# Altium PCB Thunderscope_Rev3.PCBDOC (part 4 of 6) (continued)
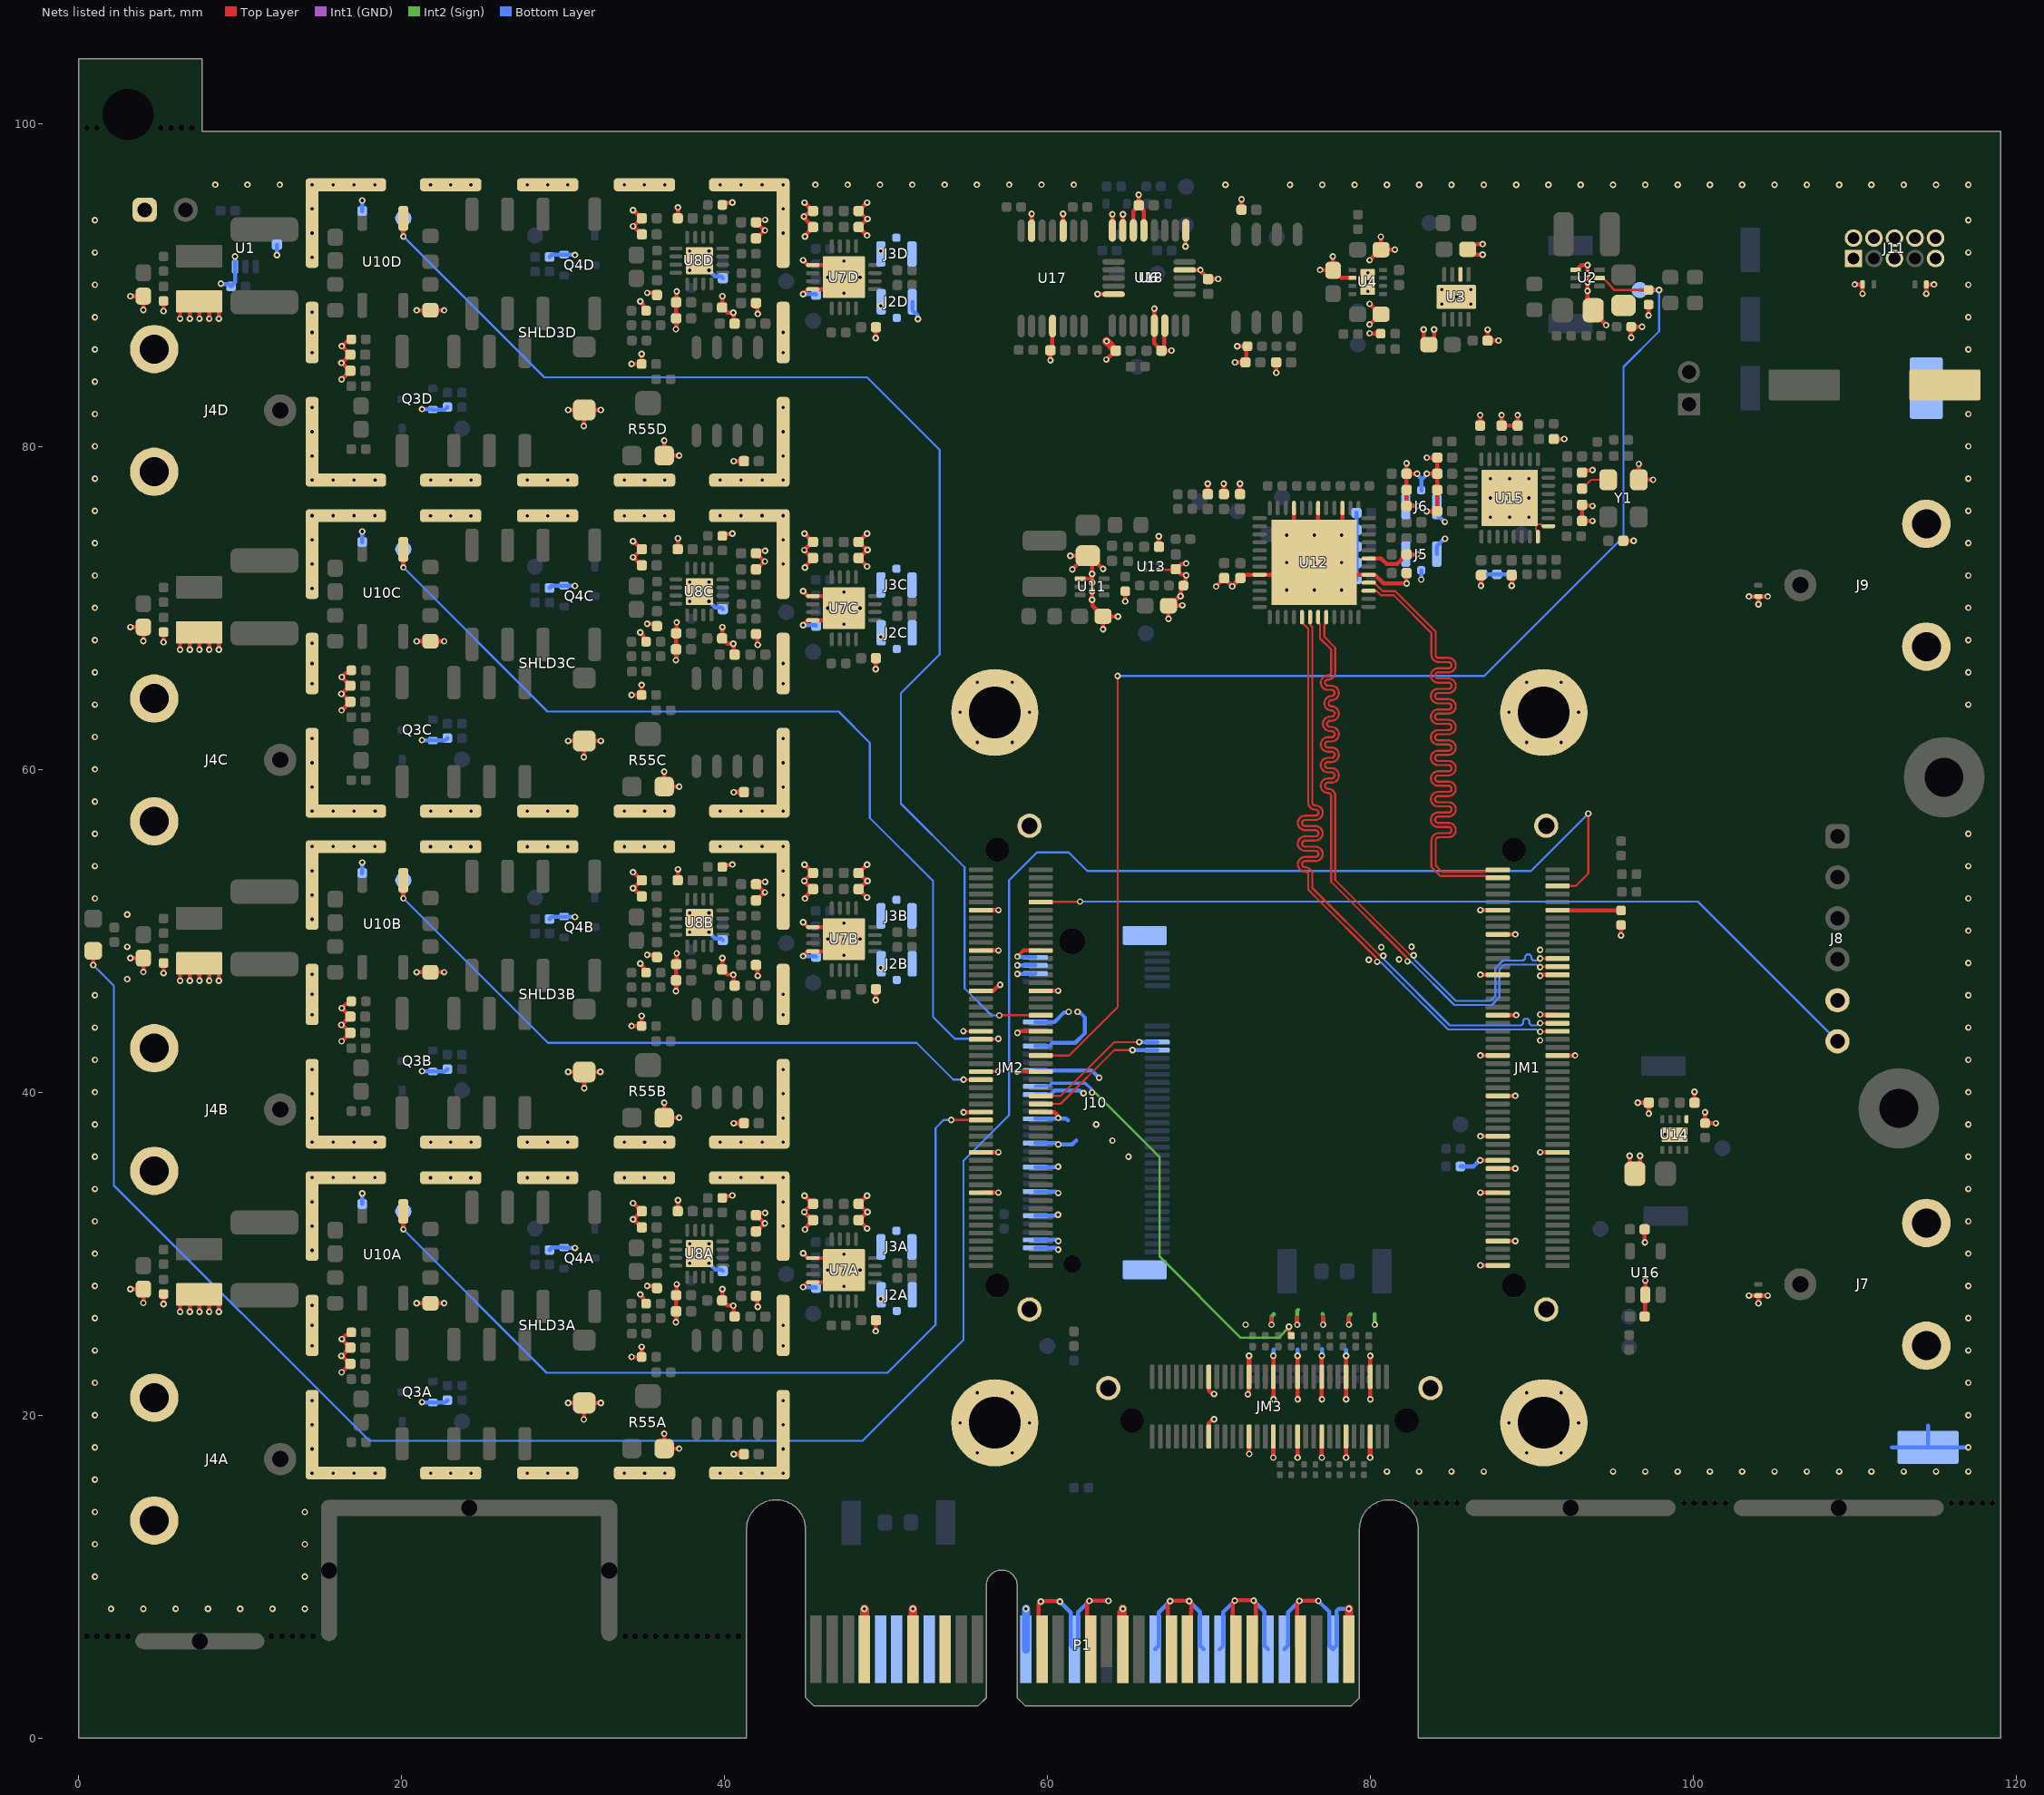
[diagram p8: the nets of this part, all layers, seen from the top]
## Nets (pads, with @x,y where several pads share a name; then routed paths per layer and width w, separated by ;. In a path a pad name is that pad's centre, name@x,y a point inside that pad or via, vN(x,y) a via of type N, cw(c..) or ccw(c..) an arc to the next point about the centre after c; other vN are vias at no path point) (continued)
  Top Layer w0.254: v1(3.195,27.8) C101A.2@4,27.8 v1(4,26.945) ; v1(3.195,48.3) C101B.2@4,48.3 v1(4,47.445) ; v1(3.195,68.8) C101C.2@4,68.8 v1(4,67.945) ; v1(3.195,89.3) C101D.2@4,89.3 v1(4,88.445) ; v1(5.25,26.87) R100A.1@5.25,27.5 R100A.1@5.263,27.512 ; v1(5.25,47.37) R100B.1@5.25,48 R100B.1@5.263,48.012 ; v1(5.25,67.87) R100C.1@5.25,68.5 R100C.1@5.263,68.512 ; v1(5.25,88.37) R100D.1@5.25,89 R100D.1@5.263,89.012 ; v1(14.45,25.55) SHLD3A.1@14.45,25.575 ; v1(14.45,46.05) SHLD3B.1@14.45,46.075 ; v1(14.45,66.55) SHLD3C.1@14.45,66.575 ; v1(14.45,87.05) SHLD3D.1@14.45,87.075 ; v1(20.925,26.925) R53A.1@21.775,26.925 v1(22.625,26.925) ; v1(20.925,47.425) R53B.1@21.775,47.425 v1(22.625,47.425) ; v1(20.925,67.925) R53C.1@21.775,67.925 v1(22.625,67.925) ; v1(20.925,88.425) R53D.1@21.775,88.425 v1(22.625,88.425) ; v1(30.3,20.75) 31.275,20.75 31.288,20.762 31.288,19.738 v1(31.275,19.725) ; v1(30.3,41.25) v1(32.3,41.25) ; v1(30.3,61.75) 31.275,61.75 31.288,61.762 31.288,60.763 v1(31.275,60.75) ; v1(30.3,82.25) 31.275,82.25 31.288,82.237 31.288,81.263 v1(31.275,81.25) ; C18A.2@31.3,20.75 v1(32.325,20.75) ; v1(31.3,40.25) C18B.2@31.3,41.25 ; C18C.2@31.3,61.75 v1(32.325,61.75) ; C18D.2@31.3,82.25 v1(32.325,82.25) ; v1(34.225,23.6) R54A.1@34.85,23.6 v1(34.85,24.225) ; v1(34.225,44.1) R54B.1@34.85,44.1 v1(34.85,44.725) ; v1(34.225,64.6) R54C.1@34.85,64.6 v1(34.85,65.225) ; v1(34.225,85.1) R54D.1@34.85,85.1 v1(34.85,85.725) ; v1(34.775,27.475) 34.775,27.434 34.966,27.243 34.966,27.059 R49A.1@35.125,26.9 ; v1(34.775,47.975) 34.775,47.934 34.966,47.743 34.966,47.559 R49B.1@35.125,47.4 ; v1(34.775,68.475) 34.775,68.434 34.966,68.243 34.966,68.059 R49C.1@35.125,67.9 ; v1(34.775,88.975) 34.775,88.934 34.966,88.743 34.966,88.559 R49D.1@35.125,88.4 ; v1@35.229,27.971 v1(35.2,28) 35.665,28 C29A.1@35.8,27.865 ; v1@35.229,48.471 v1(35.2,48.5) 35.665,48.5 C29B.1@35.8,48.365 ; v1@35.229,68.971 v1(35.2,69) 35.665,69 C29C.1@35.8,68.865 ; v1@35.229,89.471 v1(35.2,89.5) 35.665,89.5 C29D.1@35.8,89.365 ; R55D.3@36.244,79.431 36.25,79.438 v1(36.25,80.35) ; R55A.3@36.25,17.938 v1(36.25,18.85) ; R55B.3@36.25,38.438 v1(36.25,39.35) ; R55C.3@36.25,58.938 v1(36.25,59.85) ; R55D.3@36.256,79.419 36.262,79.425 v1(37.175,79.425) ; R55A.3@36.262,17.925 v1(37.175,17.925) ; R55B.3@36.262,38.425 v1(37.175,38.425) ; R55C.3@36.262,58.925 v1(37.175,58.925) ; R50A.1@39.85,33.45 39.971,33.571 40.446,33.571 v1(40.475,33.6) ; R50B.1@39.85,53.95 39.971,54.071 40.446,54.071 v1(40.475,54.1) ; R50C.1@39.85,74.45 39.971,74.571 40.446,74.571 v1(40.475,74.6) ; R50D.1@39.85,94.95 39.971,95.071 40.446,95.071 v1(40.475,95.1) ; C24A.1@42.08,31.23 C24A.1@41.935,31.375 41.953,31.375 42.449,31.871 v1@42.457,31.871 ; C24B.1@42.08,51.73 C24B.1@41.935,51.875 41.953,51.875 42.449,52.371 v1@42.457,52.371 ; C24C.1@42.08,72.23 C24C.1@41.935,72.375 41.953,72.375 42.449,72.871 v1@42.457,72.871 ; C24D.1@42.08,92.73 C24D.1@41.935,92.875 41.953,92.875 42.449,93.371 v1@42.457,93.371 ; v1(42.486,31.871) v1@42.457,31.871 ; v1(42.486,52.371) v1@42.457,52.371 ; v1(42.486,72.871) v1@42.457,72.871 ; v1(42.486,93.371) v1@42.457,93.371 ; v1@42.556,32.518 42.078,32.518 C33A.2@41.935,32.375 41.953,32.375 v1@42.457,31.871 ; v1@42.556,53.018 42.078,53.018 C33B.2@41.935,52.875 41.953,52.875 v1@42.457,52.371 ; v1@42.556,73.518 42.078,73.518 C33C.2@41.935,73.375 41.953,73.375 v1@42.457,72.871 ; v1@42.556,94.018 42.078,94.018 C33D.2@41.935,93.875 41.953,93.875 v1@42.457,93.371 ; v1(44.933,33.592) 44.94,33.592 45.457,33.075 C36A.1@45.465,33.075 45.292,32.902 45.244,32.902 44.917,32.575 45.245,32.248 45.292,32.248 C22A.1@45.465,32.075 45.465,32.057 44.999,31.592 44.999,31.587 44.906,31.493 v1(44.961,31.493) ; v1(44.933,54.092) 44.94,54.092 45.457,53.575 C36B.1@45.465,53.575 45.292,53.402 45.244,53.402 44.917,53.075 45.245,52.748 45.292,52.748 C22B.1@45.465,52.575 45.465,52.557 44.999,52.092 44.999,52.087 44.906,51.993 v1(44.961,51.993) ; v1(44.933,74.592) 44.94,74.592 45.457,74.075 C36C.1@45.465,74.075 45.292,73.902 45.244,73.902 44.917,73.575 45.245,73.248 45.292,73.248 C22C.1@45.465,73.075 45.465,73.057 44.999,72.592 44.999,72.587 44.906,72.493 v1(44.961,72.493) ; v1(44.933,95.092) 44.94,95.092 45.457,94.575 C36D.1@45.465,94.575 45.292,94.402 45.077,94.402 v1(44.9,94.225) 44.929,94.196 44.929,94.124 45.465,93.588 45.465,93.557 44.99,93.082 44.99,93.022 v1(44.961,92.993) ; C23A.1@48.285,32.075 C23A.1@48.293,32.075 ; C25A.1@48.285,33.075 C25A.1@48.293,33.075 ; C23B.1@48.285,52.575 C23B.1@48.293,52.575 ; C25B.1@48.285,53.575 C25B.1@48.293,53.575 ; C23C.1@48.285,73.075 C23C.1@48.293,73.075 ; C25C.1@48.285,74.075 C25C.1@48.293,74.075 ; C23D.1@48.285,93.575 C23D.1@48.293,93.575 ; C25D.1@48.285,94.575 C25D.1@48.293,94.575 ; v1(48.818,31.559) 48.809,31.559 C23A.1@48.293,32.075 ; v1(48.817,33.592) 48.809,33.592 C25A.1@48.293,33.075 ; v1(48.818,52.059) 48.809,52.059 C23B.1@48.293,52.575 ; v1(48.817,54.092) 48.809,54.092 C25B.1@48.293,53.575 ; v1(48.818,72.559) 48.809,72.559 C23C.1@48.293,73.075 ; v1(48.817,74.592) 48.809,74.592 C25C.1@48.293,74.075 ; v1(48.818,93.059) 48.809,93.059 C23D.1@48.293,93.575 ; v1(48.817,95.092) 48.809,95.092 C25D.1@48.293,94.575 ; v1(48.836,32.579) v1@48.807,32.579 ; v1(48.836,53.079) v1@48.807,53.079 ; v1(48.836,73.579) v1@48.807,73.579 ; v1(48.836,94.079) v1@48.807,94.079 ; v1(49.35,25.199) 49.355,25.204 49.355,25.87 C26A.1@49.36,25.875 ; v1(49.35,45.699) 49.355,45.704 49.355,46.37 C26B.1@49.36,46.375 ; v1(49.35,66.199) 49.355,66.204 49.355,66.87 C26C.1@49.36,66.875 ; v1(49.35,86.699) 49.355,86.704 49.355,87.37 C26D.1@49.36,87.375 ; v1(54.787,38.75) 54.797,38.76 55.857,38.76 JM2.39@55.867,38.771 ; JM2.19@55.867,33.771 55.869,33.773 56.945,33.773 v1(56.947,33.775) ; JM2.29@55.867,36.271 55.869,36.273 56.945,36.273 v1(56.947,36.275) ; JM2.79@55.867,48.771 55.869,48.773 56.945,48.773 v1(56.947,48.775) ; JM2.89@55.867,51.271 55.869,51.273 56.945,51.273 v1(56.947,51.275) ; JM2.69@55.868,46.272 55.89,46.294 56.652,46.294 57.009,46.65 v1(57.05,46.65) ; v1(58.1,41.275) 58.102,41.273 59.565,41.273 JM2.50@59.567,41.271 ; v1(58.12,48.4) 58.491,48.771 JM2.80@59.567,48.771 ; v1(58.125,43.667) 58.166,43.667 58.27,43.771 JM2.60@59.567,43.771 ; U17.6@59,93.35 v1(59,94.4) ; JM2.40@59.567,38.771 59.59,38.748 60.422,38.748 60.618,38.552 60.618,38.429 v1(60.647,38.4) ; JM2.70@59.567,46.271 59.569,46.273 60.645,46.273 v1(60.647,46.275) ; P1.B13@59.65,5.5 59.439,5.711 59.439,8.272 59.575,8.409 v1(59.575,8.45) 59.592,8.467 60.734,8.467 v1(60.75,8.45) ; v1@60.165,85.326 C107.1@60.165,85.95 60.262,86.047 60.262,87.412 U17.11@60.3,87.45 ; U17.3@60.95,93.35 v1(60.95,94.4) ; v1(61.395,73.225) C53.1@62.475,73.225 ; v1(61.525,72.375) 62.263,73.113 C53.1@62.288,73.113 ; U11.1@62.01,71.8 62.75,71.8 ; P1.B16@62.65,5.5 62.439,5.711 62.439,8.317 62.575,8.453 v1(62.575,8.494) 62.592,8.511 63.734,8.511 v1(63.75,8.494) ; v1(63.075,89.425) U6.10@64.075,89.425 ; v1(63.425,68.67) C52.1@63.425,69.475 ; v1(63.425,72.4) 63.412,72.4 62.737,73.076 C53.1@62.624,73.076 ; v1(63.625,85.375) 63.647,85.375 64.197,85.925 C110.1@64.215,85.925 ; U18.16@64,93.375 v1(64,94.375) ; v1(64.35,69.45) 64.338,69.463 63.437,69.463 C52.1@63.425,69.475 ; 64.427,7.818 64.427,5.723 P1.B18@64.65,5.5 ; U18.15@64.65,93.375 v1(64.65,94.375) ; v1(64.8,70.4) R39.1@64.8,71.025 ; U18.14@65.3,93.375 65.3,94.567 C109.1@65.64,94.907 ; v1(65.63,95.575) 65.635,95.57 65.635,94.93 C109.1@65.64,94.925 C109.1@65.64,94.907 ; U18.13@65.95,93.375 65.95,94.597 C109.1@65.64,94.907 ; v1(66.6,88.525) U18.5@66.6,87.475 66.6,86.378 C108.1@67.035,85.943 ; v1(66.875,74.425) 66.88,74.42 66.88,73.78 C59.1@66.885,73.775 ; U18.6@67.25,87.475 67.25,86.947 67.2,86.897 67.2,86.108 C108.1@67.035,85.943 ; v1(67.475,69.32) C60.1@67.475,70.125 67.667,70.125 67.692,70.15 67.704,70.138 68.318,70.138 v1(68.33,70.15) ; C60.1@67.64,70.202 68.133,70.696 68.196,70.696 v1(68.225,70.725) 68.254,70.754 68.254,71.229 68.542,71.517 68.542,71.981 v1(68.571,72.01) 68.525,72.056 68.277,72.056 C61.1@67.943,72.39 ; P1.B21@67.65,5.5 67.439,5.711 67.439,8.306 67.575,8.443 v1(67.575,8.484) 67.592,8.5 68.734,8.5 v1(68.75,8.484) 68.75,8.443 68.886,8.306 68.886,7.854 68.873,7.84 68.873,5.723 P1.B22@68.65,5.5 ; v1@67.659,85.925 C108.1@67.035,85.925 C108.1@67.035,85.943 ; C61.1@67.925,72.39 C61.1@67.943,72.39 ; U6.4@68.475,90.925 v1(69.45,90.925) 69.479,90.896 69.479,90.824 69.925,90.378 C13.1@69.925,90.36 v1@70.549,90.36 ; v1(68.525,92.375) 68.538,92.388 68.538,93.363 U18.9@68.55,93.375 ; v1(68.575,72.75) 68.534,72.75 68.495,72.711 68.264,72.711 C61.1@67.943,72.39 ; v1(69.9,77.687) 69.904,77.683 69.904,77.04 C42.1@69.907,77.037 ; JM3.46@69.966,21.724 69.966,21.534 70.167,21.333 70.264,21.333 v1(70.293,21.304) ; JM3.45@69.968,18.672 JM3.45@69.991,18.695 ; JM3.46@69.968,22.372 JM3.46@69.991,22.349 ; JM3.45@69.975,19.2 69.975,19.498 70.187,19.71 70.264,19.71 v1(70.293,19.739) ; v1(70.427,71.319) 70.427,71.33 70.922,71.825 C50.1@70.925,71.825 ; v1(70.9,77.687) 70.904,77.683 70.904,77.076 C44.1@70.925,77.054 ; C50.1@70.925,71.84 C50.1@70.925,71.833 ; v1(71.425,71.325) v1@71.425,71.332 ; v1(71.59,85.2) C100.1@72.24,85.2 72.303,85.263 72.303,86.137 R14.2@72.365,86.2 v1(71.735,86.2) ; P1.B25@71.65,5.5 71.439,5.711 71.439,8.328 71.575,8.464 v1(71.575,8.506) 71.592,8.522 72.734,8.522 v1(72.75,8.506) 72.75,8.464 72.886,8.328 72.886,7.876 72.873,7.862 72.873,5.723 P1.B26@72.65,5.5 ; v1(71.9,77.687) 71.904,77.683 71.904,77.04 C46.1@71.907,77.037 ; C12.2@71.995,94.65 71.998,94.653 71.998,95.298 v1(72,95.3) ; v1(72.392,21.291) 72.392,21.333 72.445,21.386 72.445,22.349 JM3.36@72.468,22.372 ; JM3.35@72.468,18.672 72.471,18.668 72.471,17.595 v1(72.475,17.591) ; v1(73.85,25.6) 73.85,25.975 ; v1@73.968,20.982 JM3.30@73.968,22.372 v1(73.968,23.678) ; C14.1@74.145,85.2 74.148,85.198 74.148,84.552 v1(74.15,84.55) ; U12.49@75.243,74.05 U12.45@75.243,76.175 ; v1(75.45,25.6) 75.45,26.025 ; v1(75.468,17.366) JM3.23@75.468,18.672 ; v1@75.468,20.982 JM3.24@75.468,22.372 v1(75.468,23.678) ; P1.B29@75.65,5.5 75.439,5.711 75.439,8.314 75.575,8.45 v1(75.575,8.492) 75.592,8.508 76.734,8.508 v1(76.75,8.492) ; U12.49@76.743,73.05 U12.42@76.743,76.175 ; v1(76.86,90.925) 76.873,90.913 77.653,90.913 C11.1@77.658,90.908 ; v1(76.968,17.366) JM3.17@76.968,18.672 ; v1@76.968,20.982 JM3.18@76.968,22.372 v1(76.968,23.678) ; v1(77.05,25.6) 77.05,26.05 ; v1(77.65,91.756) 77.658,91.748 C11.1@77.658,90.908 ; U12.49@78.243,74.55 U12.39@78.243,76.175 ; v1(78.468,17.366) JM3.11@78.468,18.672 ; v1@78.468,20.982 JM3.12@78.468,22.372 v1(78.468,23.678) ; v1(78.65,25.6) 78.65,26.025 ; U4.2@78.866,90.426 78.15,90.426 77.675,90.901 C11.1@77.666,90.901 C11.1@77.658,90.908 ; U12.31@79.868,73.05 80.642,73.05 80.966,72.726 81.643,72.726 C56.1@82.217,73.3 v1(82.875,73.3) ; v1(79.925,87) 79.937,86.988 80.603,86.988 R13.1@80.616,86.976 ; v1(79.925,87.55) 79.945,87.55 80.571,88.176 C5.1@80.583,88.176 ; v1(79.925,88.825) 79.933,88.825 C5.1@80.583,88.176 ; v1(79.925,91.525) 80.576,92.176 C8.1@80.641,92.176 80.633,92.183 80.633,92.973 v1(80.625,92.981) ; v1@79.968,20.982 JM3.6@79.968,22.372 ; JM3.6@79.969,22.372 v1(79.969,23.675) ; C5.1@80.641,88.176 C5.1@80.583,88.176 ; C8.1@80.641,92.176 v1(81.496,92.175) ; C48.1@82.217,72.3 C48.1@82.221,72.296 ; v1(82.217,78.95) C41.1@82.217,78.3 ; v1@82.221,71.504 C48.1@82.221,72.146 ; v1(82.225,71.5) 80.8,71.5 80.25,72.05 U12.29@79.868,72.05 77.243,72.05 U12.49@76.493,72.8 75.743,72.05 U12.8@73.118,72.05 72.153,72.05 71.943,71.84 C47.1@71.925,71.84 71.925,71.833 71.426,71.333 v1@71.424,71.333 ; v1(82.867,76.3) C45.1@82.217,76.3 C41.1@82.217,78.3 ; v1(82.867,78.3) C41.1@82.217,78.3 ; C7.1@83.275,86.38 v1(83.275,87.23) ; v1(83.461,75.975) 83.464,75.979 84.107,75.979 C94.2@84.111,75.982 ; v1(83.465,78.3) C86.2@84.115,78.3 ; v1(83.465,79.3) C85.2@84.115,79.3 C86.2@84.115,78.3 ; C7.1@83.925,86.38 v1(83.925,87.23) ; C94.2@84.111,75.965 C94.2@84.111,75.982 ; C87.2@84.115,77.288 C87.2@84.115,77.3 ; v1@84.56,75.348 v1(84.589,75.319) ; C6.1@86.075,91.875 v1(86.925,91.875) ; C6.1@86.075,92.525 v1(86.925,92.525) ; C84.2@86.775,81.285 v1(86.775,81.935) ; v1(86.787,29.275) 86.789,29.273 JM1.1@87.867,29.271 JM1.1@87.867,29.271 ; v1(86.787,33.775) 86.789,33.773 87.865,33.773 JM1.19@87.867,33.771 ; v1(86.787,37.275) 86.789,37.273 87.865,37.273 JM1.33@87.867,37.271 ; v1(86.787,42.275) 86.789,42.273 87.865,42.273 JM1.53@87.867,42.271 ; v1(86.787,47.275) 86.789,47.273 87.865,47.273 JM1.73@87.867,47.271 ; v1(86.787,51.275) 86.789,51.273 87.865,51.273 JM1.89@87.867,51.271 ; v1(86.825,71.365) C88.2@86.825,72.015 ; v1(87.235,87.225) C10.1@87.235,86.55 v1(87.91,86.55) ; JM1.7@87.867,30.771 87.869,30.773 88.945,30.773 v1(88.947,30.775) ; JM1.25@87.867,35.271 87.869,35.273 88.945,35.273 v1(88.947,35.275) ; JM1.43@87.867,39.771 87.869,39.773 88.945,39.773 v1(88.947,39.775) ; JM1.63@87.867,44.771 87.869,44.773 88.998,44.773 v1(89,44.775) ; JM1.83@87.867,49.771 87.869,49.773 88.945,49.773 v1(88.947,49.775) ; v1(88.1,81.935) C83.2@88.1,81.285 C82.2@89.1,81.285 v1(89.1,81.935) ; v1(88.725,71.365) C90.2@88.725,72.015 ; v1(90.487,36.275) 90.489,36.273 91.565,36.273 JM1.30@91.567,36.271 ; v1(90.487,44.808) 90.506,44.79 91.548,44.79 JM1.64@91.567,44.771 ; v1(90.487,47.206) 90.528,47.206 90.593,47.271 JM1.74@91.567,47.271 ; C93.2@91.335,80.45 v1(91.985,80.45) ; JM1.54@91.567,42.271 91.569,42.273 92.645,42.273 v1(92.647,42.275) ; U2.4@92.685,90.925 92.87,90.925 92.893,90.948 92.893,91.076 93.042,91.225 v1(93.425,91.225) v1(93.425,90.692) v1(93.425,90.158) v1(93.425,89.625) 93.425,88.775 C3.1@93.775,88.425 ; C97.2@93.085,78.375 93.206,78.496 93.706,78.496 v1(93.735,78.525) ; v1(93.735,75.375) C95.2@93.085,75.375 C99.2@93.085,76.375 93.131,76.329 93.706,76.329 v1(93.735,76.3) ; C3.1@93.875,88.325 C3.1@93.775,88.425 ; v1(94.575,87.5) 94.575,87.513 93.775,88.312 C3.1@93.775,88.425 ; v1(95.5,49.7) R103.1@95.5,50.35 ; C89.2@95.635,74.15 v1(96.285,74.15) ; C91.1@96.025,35.205 v1(96.025,36.055) ; v1(96.125,86.725) R105.1@96.125,87.4 v1(96.8,87.4) ; v1(96.54,39.35) C92.1@97.215,39.35 v1(97.215,38.675) ; v1(96.6,78.905) Y1.2@96.6,77.925 v1(97.48,77.925) ; C91.1@96.675,35.205 v1(96.675,36.055) ; C105.1@96.96,26.1 96.98,26.12 96.98,27.43 U16.2@97,27.45 v1(97,28.325) ; C106.1@96.96,31.5 96.967,31.492 96.967,30.708 v1(96.975,30.7) ; v1(97.2,88.1) R6.2@97.2,88.775 ; C4.1@100.05,39.35 v1(100.05,40.025) ; v1(100.7,38.75) R38.1@100.7,38.075 v1(101.375,38.075) ; v1(103.42,27.4) D4.2@104,27.4 ; v1(103.42,70.7) D5.2@104,70.7 ; v1(104,26.92) D4.2@104,27.4 ; v1(104,70.22) D5.2@104,70.7 ; v1(104.58,27.4) D4.2@104,27.4 ; v1(104.58,70.7) D5.2@104,70.7 ; v1(109.97,90.025) D6.2@110.45,90.025 v1(110.45,89.445) ; v1(114.4,89.445) D7.2@114.4,90.025 v1(114.88,90.025) ; C25A.1@48.293,33.075 48.303,33.075 48.799,32.579 v1@48.807,32.579 ; C25B.1@48.293,53.575 48.303,53.575 48.799,53.079 v1@48.807,53.079 ; C25C.1@48.293,74.075 48.303,74.075 48.799,73.579 v1@48.807,73.579 ; C25D.1@48.293,94.575 48.303,94.575 48.799,94.079 v1@48.807,94.079 ; C23A.1@48.293,32.075 48.303,32.075 v1@48.807,32.579 ; C23B.1@48.293,52.575 48.303,52.575 v1@48.807,53.079 ; C23C.1@48.293,73.075 48.303,73.075 v1@48.807,73.579 ; C23D.1@48.293,93.575 48.303,93.575 v1@48.807,94.079 ; C53.1@62.475,73.225 C53.1@62.624,73.076 ; C53.1@62.475,73.225 62.326,73.076 C53.1@62.624,73.076 ; C53.1@62.624,73.076 62.75,72.95 v1(62.75,72.1) 62.75,71.8 ; 62.75,71.8 v1(62.75,71.567) v1(62.75,71.033) v1(62.75,70.5) 62.779,70.471 62.779,70.131 63.425,69.485 C52.1@63.425,69.475 ; C50.1@70.925,71.833 v1@71.424,71.333 ; C50.1@70.925,71.833 v1@71.425,71.332 ; C94.2@84.111,75.982 84.113,75.985 84.113,77.298 C87.2@84.115,77.3 ; C87.2@84.115,77.3 C86.2@84.115,78.3
  Top Layer w0.3: v1(40.55,17.575) 40.553,17.578 41.173,17.578 C64A.2@41.178,17.573 ; v1(40.55,38.075) 40.553,38.078 41.173,38.078 C64B.2@41.178,38.073 ; v1(40.55,58.575) 40.553,58.578 41.173,58.578 C64C.2@41.178,58.573 ; v1(40.55,79.075) 40.553,79.078 41.173,79.078 C64D.2@41.178,79.073 ; JM3.36@72.468,22.372 v1(72.468,23.678) ; v1(73.968,17.366) JM3.29@73.968,18.672 ; v1(79.968,17.366) JM3.5@79.968,18.672
  Top Layer w0.508: P1.B4@48.65,5.5 v1(48.65,8) ; P1.B7@51.65,5.5 v1(51.65,8) ; v1(63.636,86.515) 63.636,86.504 C110.1@64.215,85.925 ; P1.B18@64.65,5.5 v1(64.65,8) ; P1.B32@78.65,5.5 v1(78.65,8)
  Int1 (GND) w0.254: v1(44.933,33.592) v1@44.95,33.575 ; v1(44.933,54.092) v1@44.95,54.075 ; v1(44.933,74.592) v1@44.95,74.575 ; v1(44.933,95.092) v1@44.95,95.075 ; v1@48.775,31.6 48.816,31.559 v1(48.818,31.559) ; v1@48.775,52.1 48.816,52.059 v1(48.818,52.059) ; v1@48.775,72.6 48.816,72.559 v1(48.818,72.559) ; v1@48.775,93.1 48.816,93.059 v1(48.818,93.059)
  Int2 (Sign) w0.254: v1(73.85,25.6) 73.879,25.629 73.879,26.129 74,26.25 ; v1(75.45,25.6) 75.45,26.45 75.5,26.5 ; 77,26.25 77.05,26.2 v1(77.05,25.6) ; v1@78.645,25.605 78.645,26.145 78.75,26.25 ; v1(80.25,25.6) 80.25,26.25 ; v1@96.2,74.15 v1(96.285,74.15) ; v1@96.6,78.825 v1(96.6,78.905)
  Bottom Layer w0.254: v1(8.8,90.075) 8.829,90.046 9.279,90.046 R2.1@9.425,89.9 9.425,89.912 9.675,90.162 U1.3@9.675,91.125 v1(9.675,91.753) ; v1(12.275,91.84) C1.2@12.275,92.49 ; v1(17.55,33.725) 17.552,33.722 17.552,33.073 R35A.1@17.555,33.07 ; v1(17.55,54.225) 17.552,54.222 17.552,53.573 R35B.1@17.555,53.57 ; v1(17.55,74.725) 17.552,74.722 17.552,74.073 R35C.1@17.555,74.07 ; v1(17.55,95.225) 17.553,95.222 17.553,94.573 R35D.1@17.555,94.57 ; v1(21.25,20.8) 21.263,20.787 21.912,20.787 Q3A.3@21.925,20.775 22.675,20.775 R28A.1@22.825,20.925 ; v1(21.25,41.3) 21.263,41.287 21.912,41.287 Q3B.3@21.925,41.275 22.675,41.275 R28B.1@22.825,41.425 ; v1(21.25,61.8) 21.263,61.787 21.912,61.787 Q3C.3@21.925,61.775 22.675,61.775 R28C.1@22.825,61.925 ; v1(21.25,82.3) 21.263,82.287 21.912,82.287 Q3D.3@21.925,82.275 22.675,82.275 R28D.1@22.825,82.425 ; R96A.1@29.15,30.225 29.3,30.375 Q4A.3@30.05,30.375 30.063,30.362 30.712,30.362 v1(30.725,30.35) ; R96B.1@29.15,50.725 29.3,50.875 Q4B.3@30.05,50.875 30.063,50.862 30.712,50.862 v1(30.725,50.85) ; R96C.1@29.15,71.225 29.3,71.375 Q4C.3@30.05,71.375 30.063,71.362 30.712,71.362 v1(30.725,71.35) ; R96D.1@29.15,91.725 29.3,91.875 Q4D.3@30.05,91.875 30.063,91.862 30.712,91.862 v1(30.725,91.85) ; v1(36.975,25.749) 36.983,25.757 36.983,26.418 C78A.1@36.99,26.425 ; v1(36.975,46.249) 36.983,46.257 36.983,46.918 C78B.1@36.99,46.925 ; v1(36.975,66.749) 36.983,66.757 36.983,67.418 C78C.1@36.99,67.425 ; v1(36.975,87.249) 36.983,87.257 36.983,87.918 C78D.1@36.99,87.925 ; v1(39.025,29.4) 39.406,29.019 39.771,29.019 C63A.2@39.875,28.915 ; v1(39.025,49.9) 39.406,49.519 39.771,49.519 C63B.2@39.875,49.415 ; v1(39.025,70.4) 39.406,70.019 39.771,70.019 C63C.2@39.875,69.915 ; v1(39.025,90.9) 39.406,90.519 39.771,90.519 C63D.2@39.875,90.415 ; v1(44.85,27.925) 45.615,27.925 C102A.2@45.65,27.89 ; v1(44.85,48.425) 45.615,48.425 C102B.2@45.65,48.39 ; v1(44.85,68.925) 45.615,68.925 C102C.2@45.65,68.89 ; v1(44.85,89.425) 45.615,89.425 C102D.2@45.65,89.39 ; v1(46.375,28.975) 46.404,29.004 46.404,29.654 R98A.1@46.525,29.775 47.156,29.775 47.356,29.975 v1(47.375,29.975) ; v1(46.375,49.475) 46.404,49.504 46.404,50.154 R98B.1@46.525,50.275 47.156,50.275 47.356,50.475 v1(47.375,50.475) ; v1(46.375,69.975) 46.404,70.004 46.404,70.654 R98C.1@46.525,70.775 47.156,70.775 47.356,70.975 v1(47.375,70.975) ; v1(46.375,90.475) 46.404,90.504 46.404,91.154 R98D.1@46.525,91.275 47.156,91.275 47.356,91.475 v1(47.375,91.475) ; J2D.2@51.61,88.95 51.61,88.44 51.925,88.125 51.925,87.953 51.96,87.918 v1(51.96,87.876) ; v1(58.12,47.317) 58.137,47.333 59.208,47.333 J10.70@59.225,47.35 ; v1(58.12,47.85) J10.72@59.225,47.85 ; v1(58.12,48.4) 58.145,48.375 59.2,48.375 J10.74@59.225,48.35 ; J10.2@59.225,30.35 60.498,30.35 60.606,30.242 v1(60.647,30.242) ; J10.4@59.225,30.85 60.534,30.85 60.609,30.775 v1(60.65,30.775) ; J10.10@59.225,32.35 60.54,32.35 60.603,32.412 v1(60.644,32.412) ; J10.16@59.225,33.85 60.508,33.85 60.612,33.746 v1(60.653,33.746) ; J10.22@59.225,35.35 59.242,35.367 60.63,35.367 v1(60.647,35.383) ; J10.28@59.225,36.85 60.525,36.85 60.612,36.763 v1(60.653,36.763) 61.513,36.763 61.75,37 ; J10.34@59.225,38.35 60.556,38.35 60.606,38.4 v1(60.647,38.4) 60.676,38.371 61.129,38.371 61.25,38.25 ; J10.40@59.225,39.85 60.164,39.85 60.426,40.113 61.97,40.113 62.072,40.01 62.098,40.01 62.175,39.934 v1(62.216,39.934) ; J10.46@59.225,41.35 62.725,41.35 v1(63.178,40.897) ; J10.52@59.225,42.85 59.244,42.869 60.119,42.869 60.3,43.05 61.7,43.05 62.307,43.657 62.307,44.614 61.976,44.946 61.879,44.946 v1(61.85,44.975) ; J10.58@59.225,44.35 60.425,44.35 61.021,44.946 61.271,44.946 v1(61.3,44.975) ; v1(60.75,8.45) 61.427,7.773 61.427,5.723 P1.A15@61.65,5.5 61.873,5.723 61.873,7.792 v1(62.575,8.494) ; P1.A20@66.65,5.5 66.873,5.723 66.873,7.782 v1(67.575,8.484) ; v1(68.75,8.484) 69.427,7.807 69.427,5.723 P1.A23@69.65,5.5 ; P1.A24@70.65,5.5 70.873,5.723 70.873,7.804 v1(71.575,8.506) ; v1(71.425,71.325) 71.425,71.338 71.925,71.838 R46.2@71.925,71.85 ; v1(72.75,8.506) 73.427,7.829 73.427,5.723 P1.A27@73.65,5.5 ; v1(73.968,23.678) 73.975,23.685 73.975,24.075 ; P1.A28@74.65,5.5 74.873,5.723 74.873,7.789 v1(75.575,8.492) ; v1(75.468,23.678) 75.475,23.685 75.475,24.075 ; v1(76.75,8.492) 77.427,7.815 77.427,5.723 P1.A31@77.65,5.5 77.873,5.723 77.873,7.851 78.022,8 v1(78.65,8) ; v1(76.968,23.678) 76.975,23.685 76.975,24.1 ; v1(78.2,71.1) 78.229,71.129 78.469,71.129 C49.1@79.115,71.775 C55.1@79.115,72.775 ; v1(78.2,72.8) 78.213,72.787 79.103,72.787 C55.1@79.115,72.775 ; v1(78.2,74.5) 78.241,74.5 78.414,74.673 78.963,74.673 C57.1@79.115,74.825 ; v1(78.468,23.678) 78.475,23.685 78.475,24.025 ; C58.1@79.115,75.875 C57.1@79.115,74.825 ; J5.2@82.165,73.325 82.19,73.3 v1(82.875,73.3) ; J6.2@82.165,76.275 82.19,76.3 v1(82.867,76.3) ; v1(82.867,78.3) 82.867,78.259 83.125,78.001 83.125,77.919 ; v1(83.125,71.745) J5.2@83.125,72.325 ; J6.2@83.125,77.275 83.125,77.919 ; v1(83.465,78.3) 83.465,78.259 83.125,77.919 ; J5.2@84.085,73.325 84.085,73.815 84.515,74.245 84.566,74.245 v1(84.595,74.274) ; J6.2@84.085,76.275 84.085,75.785 84.551,75.319 v1(84.589,75.319) ; v1(86.825,71.365) 86.854,71.394 86.854,72.004 R94.1@86.925,72.075 R93.1@87.825,72.075 R92.1@88.725,72.075 v1(88.725,71.365) ; 112.27,18 TP5.1@114.5,18 ; 114.5,19.345 114.5,18.025 114.512,18.012 TP5.1@114.5,18 ; v1@116.975,18 TP5.1@114.5,18 ; C55.1@79.115,72.775 C54.1@79.115,73.775 C57.1@79.115,74.825
  Bottom Layer w0.508: P1.A4@48.65,5.5 v1(48.65,8) ; P1.A12@58.65,5.5 v1(58.65,8) ; P1.A18@64.65,5.5 v1(64.65,8)
  other v1: 2,8 4,8 6,8 8,8 10,8 12,8 14,8 1,10 14,10 1,12 14,12 1,14 14,14 1,16 14.45,16.4 15.75,16.4 17.05,16.4 18.35,16.4 21.783,16.405 23.033,16.405 24.283,16.405 27.783,16.405 29.033,16.405 30.283,16.405 33.783,16.405 35.033,16.405 36.283,16.405 39.715,16.4 41.015,16.4 42.315,16.4 43.615,16.4 81,16.5 83,16.5 85,16.5 87,16.5 95,16.5 97,16.5 99,16.5 101,16.5 103,16.5 105,16.5 107,16.5 109,16.5 111,16.5 113,16.5 115,16.5 117,16.5 55.642,17.659 57.792,17.659 89.642,17.659 91.792,17.659 14.45,17.9 43.615,17.9 1,18 117,18 14.45,19.4 43.615,19.4 54.567,19.521 58.867,19.521 88.567,19.521 92.867,19.521 1,20 117,20 14.45,20.9 43.615,20.9 73.975,20.975 75.475,20.975 76.975,20.975 78.475,20.975 79.975,20.975 55.642,21.383 57.792,21.383 89.642,21.383 91.792,21.383 1,22 117,22 1,24 117,24 14.45,24.3 43.61,24.3 43.61,25.55 72.25,25.6 1,26 117,26 14.45,26.8 49.66,27.2 47.375,27.975 1,28 117,28 48.375,28.975 37.825,29.4 1,30 38.425,30 117,30 14.448,30.205 37.825,30.6 39.025,30.6 14.448,31.705 43.613,31.705 1,32 117,32 42.5,32.525 44.925,32.575 34.317,33.125 14.448,33.205 43.613,33.205 1,34 117,34 21.78,34.7 23.03,34.7 24.28,34.7 27.78,34.7 29.03,34.7 30.28,34.7 33.78,34.7 35.03,34.7 36.28,34.7 14.448,34.705 15.748,34.705 17.048,34.705 18.348,34.705 39.713,34.705 41.013,34.705 42.313,34.705 43.613,34.705 1,36 65,36 117,36 14.45,36.9 15.75,36.9 17.05,36.9 18.35,36.9 21.783,36.905 23.033,36.905 24.283,36.905 27.783,36.905 29.033,36.905 30.283,36.905 33.783,36.905 35.033,36.905 36.283,36.905 39.715,36.9 41.015,36.9 42.315,36.9 43.615,36.9 64,37 98.225,37.375 98.8,37.375 99.375,37.375 1,38 63,38 117,38 14.45,38.4 43.615,38.4 14.45,39.9 43.615,39.9 1,40 117,40 56.947,41.3 14.45,41.4 43.615,41.4 1,42 117,42 90.487,43.208 1,44 117,44 14.45,44.8 43.61,44.8 1,46 117,46 43.61,46.05 3,47 14.45,47.3 49.66,47.7 117,48 79.873,48.198 81.75,48.225 47.375,48.475 90.487,48.806 80.65,48.975 3,49 82.527,49.002 48.375,49.475 37.825,49.9 117,50 38.425,50.5 14.448,50.705 3,51 37.825,51.1 39.025,51.1 1,52 117,52 14.448,52.205 43.613,52.205 42.5,53.025 44.925,53.075 34.317,53.625 14.448,53.705 43.613,53.705 1,54 117,54 21.78,55.2 23.03,55.2 24.28,55.2 27.78,55.2 29.03,55.2 30.28,55.2 33.78,55.2 35.03,55.2 36.28,55.2 14.448,55.205 15.748,55.205 17.048,55.205 18.348,55.205 39.713,55.205 41.013,55.205 42.313,55.205 43.613,55.205 1,56 117,56 14.45,57.4 15.75,57.4 17.05,57.4 18.35,57.4 21.783,57.405 23.033,57.405 24.283,57.405 27.783,57.405 29.033,57.405 30.283,57.405 33.783,57.405 35.033,57.405 36.283,57.405 39.715,57.4 41.015,57.4 42.315,57.4 43.615,57.4 1,58 14.45,58.9 43.615,58.9 1,60 14.45,60.4 43.615,60.4 55.642,61.659 57.792,61.659 89.642,61.659 91.792,61.659 14.45,61.9 43.615,61.9 1,62 54.567,63.521 58.867,63.521 88.567,63.521 92.867,63.521 1,64 117,64 14.45,65.3 43.61,65.3 55.642,65.383 57.792,65.383 89.642,65.383 91.792,65.383 1,66 117,66 43.61,66.55 14.45,67.8 1,68 117,68 49.66,68.2 47.375,68.975 48.375,69.975 1,70 117,70 37.825,70.4 38.425,71 74.8,71.1 76.5,71.1 14.448,71.205 37.825,71.6 39.025,71.6 1,72 117,72 14.448,72.705 43.613,72.705 74.8,72.8 76.5,72.8 42.5,73.525 44.925,73.575 1,74 117,74 34.317,74.125 14.448,74.205 43.613,74.205 74.8,74.5 76.5,74.5 87.4,75.6 88.6,75.6 89.8,75.6 14.448,75.705 15.748,75.705 17.048,75.705 18.348,75.705 21.78,75.7 23.03,75.7 24.28,75.7 27.78,75.7 29.03,75.7 30.28,75.7 33.78,75.7 35.03,75.7 36.28,75.7 39.713,75.705 41.013,75.705 42.313,75.705 43.613,75.705 1,76 117,76 87.4,76.8 89.8,76.8 14.45,77.9 15.75,77.9 17.05,77.9 18.35,77.9 21.783,77.905 23.033,77.905 24.283,77.905 27.783,77.905 29.033,77.905 30.283,77.905 33.783,77.905 35.033,77.905 36.283,77.905 39.715,77.9 41.015,77.9 42.315,77.9 43.615,77.9 1,78 87.4,78 88.6,78 89.8,78 117,78 14.45,79.4 43.615,79.4 1,80 117,80 14.45,80.9 43.615,80.9 1,82 117,82 14.45,82.4 43.615,82.4 1,84 60.171,85.321 14.45,85.8 43.61,85.8 67.664,85.931 1,86 117,86 43.61,87.05 1,88 117,88 14.45,88.3 49.66,88.7 84.4,88.8 86.2,88.8 85.3,89.25 47.375,89.475 79.825,89.6 84.4,89.7 86.2,89.7 1,90 117,90 79.825,90.175 70.554,90.366 48.375,90.475 79.825,90.75 37.825,90.9 38.425,91.5 14.448,91.705 1,92 117,92 37.825,92.1 39.025,92.1 49.663,92.105 14.448,93.205 43.613,93.205 1,94 117,94 42.5,94.025 34.317,94.625 14.448,94.705 43.613,94.705 8.448,96.205 10.448,96.205 12.448,96.205 14.448,96.205 15.748,96.205 17.048,96.205 18.348,96.205 21.78,96.2 23.03,96.2 24.28,96.2 27.78,96.2 29.03,96.2 30.28,96.2 33.78,96.2 35.03,96.2 36.28,96.2 39.713,96.205 41.013,96.205 42.313,96.205 43.613,96.205 45.613,96.205 47.613,96.205 49.613,96.205 51.613,96.205 53.613,96.205 55.613,96.205 57.613,96.205 59.613,96.205 61.613,96.205 71,96.2 75,96.2 77,96.2 79,96.2 81,96.2 83,96.2 85,96.2 87,96.2 89,96.2 91,96.2 93,96.2 95,96.2 97,96.2 99,96.2 101,96.2 103,96.2 105,96.2 107,96.2 109,96.2 111,96.2 113,96.2 115,96.2 117,96.2
INTREF: C98.2 Y1.3 | length 1.8
  Top Layer w0.127: C98.2@93.085,77.375 93.635,77.925 Y1.3@94.7,77.925
JTAG1: P1.B9
JTAG2: P1.A5
JTAG3: P1.A6
JTAG4: P1.A7
JTAG5: P1.A8
JTAG_VREF: J8.6 JM2.92 | length 52.9
  Top Layer w0.127: JM2.92@59.567,51.771 59.582,51.785 61.985,51.785 v1(62,51.8)
  Bottom Layer w0.127: v1(62,51.8) 100.25,51.8 J8.6@108.9,43.15
JTAGEN: JM1.90 R103.2 | length 3.9
  Top Layer w0.254: JM1.90@91.567,51.271 91.577,51.26 95.49,51.26 R103.2@95.5,51.25
LCLK_N: JM1.62 U12.18 | length 42
  Top Layer w0.127: U12.18@76.243,69.425 76.264,69.404 76.264,68.929 76.382,68.81 76.382,58.141 76.382,57.949 ccw(c76.573,57.949) 76.573,57.758 76.575,57.758 cw(c76.575,57.311) 76.575,56.863 75.933,56.863 ccw(c75.933,56.672) 75.933,56.482 76.575,56.482 cw(c76.575,56.034) 76.575,55.587 75.933,55.587 ccw(c75.933,55.396) 75.933,55.206 76.575,55.206 cw(c76.575,54.758) 76.575,54.31 75.933,54.31 ccw(c75.933,54.12) 75.933,53.929 75.934,53.929 cw(c75.934,53.481) 76.382,53.481 76.382,52.925 76.382,52.647 80.526,48.503 80.722,48.503 v1(80.775,48.45) ; v1(90.487,44.275) 90.491,44.271 JM1.62@91.567,44.271
  Bottom Layer w0.127: v1(80.775,48.45) 80.828,48.397 80.828,48.201 84.893,44.137 89.182,44.137 89.246,44.137 ccw(c89.246,44.327) 89.436,44.327 89.436,44.369 cw(c89.627,44.369) 89.817,44.369 89.817,44.327 ccw(c90.008,44.327) 90.008,44.137 90.273,44.137 90.411,44.275 90.475,44.275 v1(90.487,44.275)
LCLK_P: JM1.60 U12.17 | length 42
  Top Layer w0.127: U12.17@75.743,69.425 75.743,69.082 76,68.825 76.125,68.7 76.125,58.141 76.125,57.949 ccw(c76.573,57.949) 76.573,57.501 76.575,57.501 cw(c76.575,57.311) 76.575,57.12 75.933,57.12 ccw(c75.933,56.672) 75.933,56.225 76.575,56.225 cw(c76.575,56.034) 76.575,55.844 75.933,55.844 ccw(c75.933,55.396) 75.933,54.948 76.575,54.948 cw(c76.575,54.758) 76.575,54.567 75.933,54.567 ccw(c75.933,54.12) 75.933,53.672 75.934,53.672 cw(c75.934,53.481) 76.125,53.481 76.125,52.925 76.125,52.541 76.508,52.158 80.344,48.322 80.344,48.126 v1(80.398,48.073) ; v1@90.487,43.752 90.979,43.752 90.99,43.742 JM1.60@91.567,43.742
  Bottom Layer w0.127: v1(80.398,48.073) 80.451,48.019 80.647,48.019 82.013,46.653 84.636,44.03 84.786,43.88 90.273,43.88 90.411,43.742 v1(90.487,43.742)
LED: D1.1 JM1.96 | length 150.7
  Top Layer w0.127: JM1.96@91.567,52.771 92.696,52.771 93.475,53.55 v1(93.475,57.25)
  Top Layer w0.254: v1(0.9,47.87) D1.1@0.9,48.5
  Bottom Layer w0.127: v1(0.9,47.87) 2.175,46.595 2.175,34.225 18,18.4 48.525,18.4 54.775,24.65 54.775,35.75 57.6,38.575 57.6,53.125 59.325,54.85 61.3,54.85 62.45,53.7 89.925,53.7 v1(93.475,57.25)
M2_GPIO1: J10.51 JM2.42 | length 8.6
  Top Layer w0.127: JM2.42@59.567,39.271 60.796,39.271 64.125,42.6 v1(65.25,42.6)
  Bottom Layer w0.254: v1(65.25,42.6) J10.51@66.775,42.6
M2_GPIO2: J10.53 JM2.44 | length 8.6
  Top Layer w0.127: JM2.44@59.567,39.771 60.796,39.771 64.125,43.1 v1(65.67,43.1)
  Bottom Layer w0.254: v1(65.67,43.1) J10.53@66.775,43.1
M2_PER0_N: C76.1 J10.42 | length 26.9
  Top Layer w0.191: v1(74.93,25.473) 74.93,25.361 74.942,25.35 74.942,25.048 C76.1@75.075,24.915
  Int2 (Sign) w0.148: v1(62.748,39.979) 62.798,39.929 62.973,39.929 63.964,38.938 63.967,38.938 66.925,35.98 66.925,29.825 71.956,24.794 74.299,24.794 74.93,25.425 v1(74.93,25.473)
  Bottom Layer w0.191: J10.42@59.225,40.35 59.265,40.39 60.09,40.39 60.253,40.553 62.334,40.553 62.707,40.18 62.707,40.02 v1(62.748,39.979)